# Altium PCB ACF_Out-v2.0.PcbDoc (part 2 of 2)
Units mil, origin at the board's own origin, x right, y up, seen from the top; angles counter-clockwise.
Board outline 5719.29 x 3937.01 mil, 2 copper layers (Top Layer, Bottom Layer), stack 61.811 mil thick; 67 components, 71 nets, 251 pads, 51 vias.
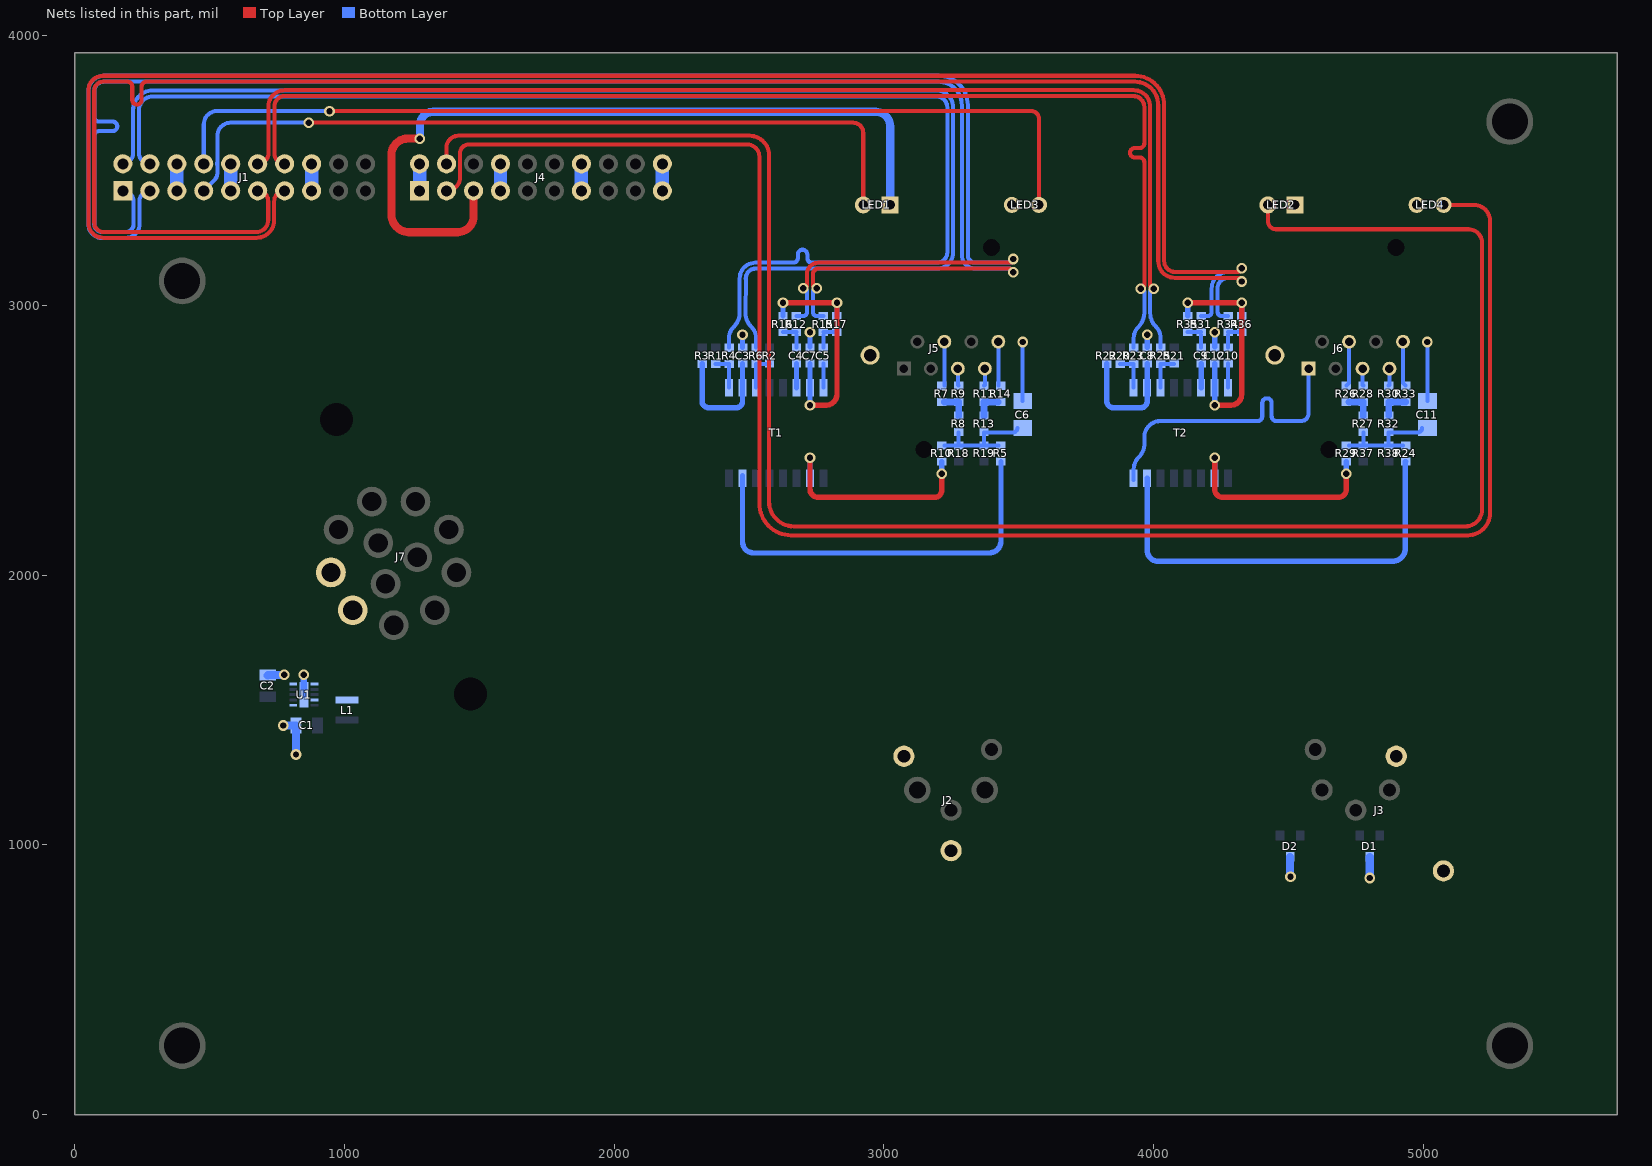
[diagram p2: the nets of this part, all layers, seen from the top]

## Via types
v1: diameter 39.37, hole 23.62, Top Layer to Bottom Layer, tented both sides, 51 vias

## Nets (pads, with @x,y where several pads share a name; then routed paths per layer and width w, separated by ;. In a path a pad name is that pad's centre, name@x,y a point inside that pad or via, vN(x,y) a via of type N, cw(c..) or ccw(c..) an arc to the next point about the centre after c; other vN are vias at no path point) (continued)
B_TXI1_P: J6.1 T2.16 | length 1133.7
  Bottom Layer w15: T2.16@3926.1,2352 T2.16@3926.1,2358.89 3926.1,2393.2 cw(c3985.85,2393.2) 3943.6,2435.45 ccw(c3889.28,2489.77) 3966.1,2489.77 3966.1,2512.8 cw(c4024.19,2512.8) 4024.19,2570.89 4377.67,2570.89 4385.17,2570.89 ccw(c4385.17,2588.39) 4402.67,2588.39 4402.67,2637.77 cw(c4420.17,2637.77) 4437.67,2637.77 4437.67,2588.39 ccw(c4455.17,2588.39) 4455.17,2570.89 4502.97,2570.89 4546.21,2570.89 ccw(c4546.21,2598.89) 4574.21,2598.89 J6.1@4574.21,2765.16
GND: C1.1 C2.1 C3.1 C6.1 C7.1 C8.1 C11.1 C12.1 D1.3 D2.3 J1.05 J1.06 J1.09 J1.10 J1.15 J1.16 J2.1 J2.G J3.1 J3.G J4.01 J4.02 J4.07 J4.08 J4.13 J4.14 J4.19 J4.20 J5.G J6.G J7.C J7.D LED2.1 LED4.2 U1.1 U1.5 U1.6 U1.11 | length 1772.9
  Bottom Layer w15: C6.1@3514.68,2645 v1(3514.68,2863.84) ; C11.1@5014.68,2645 v1(5014.68,2863.84)
  Bottom Layer w20: C3.1@2476.1,2843.89 v1(2476.1,2890.45) ; C7.1@2726.1,2845.43 v1@2726.1,2890.45 ; C8.1@3976.1,2843.89 v1(3976.1,2890.45) ; C12.1@4226.1,2845.43 v1(4226.1,2900.45)
  Bottom Layer w25: U1.11@849.93,1556.89 v1(849.93,1630.89)
  Bottom Layer w30: C2.1@716.1,1628.2 717.81,1629.91 776.13,1629.91 v1(777.1,1630.89) ; v1(773.93,1442.54) C1.1@820.93,1442.54 v1(820.93,1334.89) ; v1@4506.1,883 D2.3@4506.1,955.63 ; v1(4801.1,877) D1.3@4801.1,955.63
  Bottom Layer w50: J1.05@378.96,3424.59 J1.06@378.96,3524.59 ; J1.09@578.96,3424.59 J1.10@578.96,3524.59 ; J1.15@878.96,3424.59 J1.16@878.96,3524.59 ; J4.01@1278.96,3424.59 J4.02@1278.96,3524.59 ; J4.07@1578.96,3424.59 J4.08@1578.96,3524.59 ; J4.13@1878.96,3424.59 J4.14@1878.96,3524.59 ; J4.19@2178.96,3424.59 J4.20@2178.96,3524.59
  other v1: 4507.1,882 2726.1,2900.45
GND_DRIVE: J4.05 LED1.1 LED3.2 | length 2974.6
  Top Layer w30: v1(1280.1,3618) 1234.7,3618 ccw(c1234.7,3558.4) 1175.1,3558.4 1175.1,3336 ccw(c1240.1,3336) 1240.1,3271 1419.96,3271 ccw(c1419.96,3330) 1478.96,3330 J4.05@1478.96,3424.59
  Bottom Layer w30: v1(1280.1,3618) 1280.1,3667.68 cw(c1330.12,3667.68) 1330.12,3717.7 2969.38,3717.7 cw(c2969.38,3663.45) 3023.62,3663.45 LED1.1@3023.62,3372.24
NetC3_2: C3.2 R3.2 T1.2 | length 455.3
  Bottom Layer w20: R3.2@2326.1,2782.89 2326.1,2645.28 ccw(c2351.1,2645.28) 2351.1,2620.28 2452.38,2620.28 ccw(c2452.38,2644) 2476.1,2644 T1.2@2476.1,2694.72 C3.2@2476.1,2783.89
NetC4_1: C4.1 R12.2 R16.1 | length 96.6
  Bottom Layer w15: R16.1@2626.1,2900.45 R12.2@2675.95,2900.45 ; R12.2@2675.95,2890.45 2675.95,2843.89 C4.1@2676.1,2843.89
NetC4_2: C4.2 T1.6 | length 89.2
  Bottom Layer w20: T1.6@2676.1,2694.72 C4.2@2676.1,2783.89
NetC5_1: C5.1 R15.2 R17.1 | length 96.6
  Bottom Layer w15: C5.1@2776.1,2843.89 R15.2@2776.1,2890.45 ; R15.2@2776.1,2900.45 R17.1@2826.1,2900.45
NetC5_2: C5.2 T1.8 | length 89.2
  Bottom Layer w15: T1.8@2776.1,2694.72 C5.2@2776.1,2783.89
NetC6_2: C6.2 R5.1 R8.2 R10.1 R13.2 R18.1 R19.2 | length 428.9
  Bottom Layer w15: R10.1@3224.21,2481 R18.1@3277.21,2481 ; R8.2@3277.21,2529 R18.1@3277.21,2481 ; R5.1@3424.21,2481 R19.2@3371.21,2481 ; C6.2@3495,2545 cw(c3479,2545) 3479,2529 3371.21,2529 R19.2@3371.21,2481 ; R18.1@3277.21,2481 R19.2@3371.21,2481
NetC7_2: C7.2 R16.2 R17.2 T1.7 | length 915.8
  Top Layer w20: v1(2626.1,3010) v1(2826.1,3010) 2826.1,2669.98 cw(c2786.12,2669.98) 2786.12,2630 v1(2726.1,2630)
  Bottom Layer w20: R16.2@2626.1,2960.45 v1(2626.1,3010) ; v1(2726.1,2630) T1.7@2726.1,2694.72 C7.2@2726.1,2783.89 ; R17.2@2826.1,2960.45 v1(2826.1,3010)
NetC8_2: C8.2 R22.2 T2.2 | length 455.3
  Bottom Layer w20: R22.2@3826.1,2782.89 3826.1,2645.28 ccw(c3851.1,2645.28) 3851.1,2620.28 3952.38,2620.28 ccw(c3952.38,2644) 3976.1,2644 T2.2@3976.1,2694.72 C8.2@3976.1,2783.89
NetC9_1: C9.1 R31.2 R35.1 | length 96.6
  Bottom Layer w15: R35.1@4126.1,2900.45 R31.2@4175.95,2900.45 ; R31.2@4175.95,2890.45 4175.95,2843.89 C9.1@4176.1,2843.89
NetC9_2: C9.2 T2.6 | length 89.2
  Bottom Layer w20: T2.6@4176.1,2694.72 C9.2@4176.1,2783.89
NetC10_1: C10.1 R34.2 R36.1 | length 96.6
  Bottom Layer w15: C10.1@4276.1,2843.89 R34.2@4276.1,2890.45 ; R34.2@4276.1,2900.45 R36.1@4326.1,2900.45
NetC10_2: C10.2 T2.8 | length 89.2
  Bottom Layer w15: T2.8@4276.1,2694.72 C10.2@4276.1,2783.89
NetC11_2: C11.2 R24.1 R27.2 R29.1 R32.2 R37.1 R38.2 | length 428.9
  Bottom Layer w15: R29.1@4724.21,2481 R37.1@4777.21,2481 ; R27.2@4777.21,2529 R37.1@4777.21,2481 ; R24.1@4924.21,2481 R38.2@4871.21,2481 ; C11.2@4995,2545 cw(c4979,2545) 4979,2529 4871.21,2529 R38.2@4871.21,2481 ; R37.1@4777.21,2481 R38.2@4871.21,2481
NetC12_2: C12.2 R35.2 R36.2 T2.7 | length 915.8
  Top Layer w20: v1(4126.1,3010) v1(4326.1,3010) 4326.1,2669.98 cw(c4286.12,2669.98) 4286.12,2630 v1(4226.1,2630)
  Bottom Layer w20: R35.2@4126.1,2960.45 v1(4126.1,3010) ; v1(4226.1,2630) T2.7@4226.1,2694.72 C12.2@4226.1,2783.89 ; R36.2@4326.1,2960.45 v1(4326.1,3010)
NetJ5_4: J5.4 R7.1 | length 163.2
  Bottom Layer w15: R7.1@3224.21,2702 J5.4@3224.21,2865.16
NetJ5_5: J5.5 R9.1 | length 64.4
  Bottom Layer w15: J5.5@3274.21,2765.16 3274.21,2705 R9.1@3277.21,2702
NetJ5_7: J5.7 R11.1 | length 64.4
  Bottom Layer w15: R11.1@3371.21,2702 3374.21,2705 J5.7@3374.21,2765.16
NetJ5_8: J5.8 R14.1 | length 163.2
  Bottom Layer w15: R14.1@3424.21,2702 J5.8@3424.21,2865.16
NetJ6_4: J6.4 R26.1 | length 167.2
  Bottom Layer w15: R26.1@4714.37,2702 4724.21,2711.84 J6.4@4724.21,2865.16
NetJ6_5: J6.5 R28.1 | length 64.4
  Bottom Layer w15: J6.5@4774.21,2765.16 4774.21,2705 R28.1@4777.21,2702
NetJ6_7: J6.7 R30.1 | length 64.4
  Bottom Layer w15: R30.1@4871.21,2702 4874.21,2705 J6.7@4874.21,2765.16
NetJ6_8: J6.8 R33.1 | length 167.2
  Bottom Layer w15: J6.8@4924.21,2865.16 4924.21,2711.84 R33.1@4934.06,2702
NetL1_1: L1.1 U1.9
NetR1_2: R1.2 R4.2 T1.1 | length 138.2
  Bottom Layer w15: R1.2@2376.1,2782.89 R4.2@2426.1,2782.89 T1.1@2426.1,2694.72
NetR2_2: R2.2 R6.2 T1.3 | length 138.7
  Bottom Layer w15: T1.3@2526.1,2694.72 R6.2@2526.1,2782.89 2575.1,2782.89 ccw(c2575.1,2783.89) R2.2@2576.1,2783.89
NetR5_2: R5.2 T1.15 | length 1547.7
  Bottom Layer w20: T1.15@2476.1,2369 T1.15@2476.1,2358.89 2476.1,2122.47 ccw(c2516.57,2122.47) 2516.57,2082 3390.06,2082 ccw(c3390.06,2126) 3434.06,2126 R5.2@3434.06,2421
NetR7_2: R7.2 R8.1 R9.2 | length 106
  Bottom Layer w25: R7.2@3224.21,2642 R9.2@3277.21,2642 R8.1@3277.21,2589
NetR10_2: R10.2 T1.10 | length 818.8
  Top Layer w20: v1(2726.1,2434.52) 2726.1,2319.12 ccw(c2757.09,2319.12) 2757.09,2288.14 3188.55,2288.14 ccw(c3188.55,2313.96) 3214.37,2313.96 v1(3214.37,2375.73)
  Bottom Layer w20: T1.10@2726.1,2358.89 v1(2726.1,2434.52) ; v1(3214.37,2375.73) R10.2@3214.37,2421
NetR11_2: R11.2 R13.1 R14.2 | length 106
  Bottom Layer w25: R13.1@3371.21,2589 R11.2@3371.21,2642 R14.2@3424.21,2642
NetR20_2: R20.2 R23.2 T2.1 | length 138.2
  Bottom Layer w15: R20.2@3876.1,2782.89 R23.2@3926.1,2782.89 T2.1@3926.1,2694.72
NetR21_2: R21.2 R25.2 T2.3 | length 137.2
  Bottom Layer w15: T2.3@4026.1,2694.72 R25.2@4026.1,2782.89 R21.2@4075.1,2782.89
NetR24_2: R24.2 T2.15 | length 1597.1
  Bottom Layer w20: T2.15@3976.1,2358.89 3976.1,2092.53 ccw(c4017.97,2092.53) 4017.97,2050.66 4884.11,2050.66 ccw(c4884.11,2099.87) 4933.32,2099.87 4933.32,2420.27 cw(c4934.06,2420.27) R24.2@4934.06,2421
NetR26_2: R26.2 R27.1 R28.2 | length 106
  Bottom Layer w25: R26.2@4724.21,2642 R28.2@4777.21,2642 R27.1@4777.21,2589
NetR29_2: R29.2 T2.10 | length 816.9
  Top Layer w20: v1(4226.1,2434.52) 4226.1,2319.12 ccw(c4257.09,2319.12) 4257.09,2288.14 4684.22,2288.14 ccw(c4684.22,2318.29) 4714.37,2318.29 v1(4714.37,2375.73)
  Bottom Layer w20: T2.10@4226.1,2358.89 v1(4226.1,2434.52) ; v1(4714.37,2375.73) R29.2@4714.37,2421
NetR30_2: R30.2 R32.1 R33.2 | length 113.8
  Bottom Layer w25: R32.1@4871.21,2591 R30.2@4871.21,2642 R33.2@4934.06,2642
P1LED: J1.07 LED1.2 | length 2933.7
  Top Layer w15: v1(868.1,3677) 2886.03,3677 cw(c2886.03,3639.41) 2923.62,3639.41 LED1.2@2923.62,3372.24
  Bottom Layer w15: J1.07@478.96,3424.59 518.9,3464.53 ccw(c494.28,3489.15) 529.1,3489.15 529.1,3521.48 ccw(c514.1,3521.48) 529.08,3522.19 cw(c578.96,3524.59) 529.08,3526.98 ccw(c514.1,3527.69) 529.1,3527.69 529.1,3627.86 cw(c578.24,3627.86) 578.24,3677 v1(868.1,3677)
P2LED: J1.08 LED3.1 | length 3605.9
  Top Layer w15: v1(945.1,3720) 3546.78,3720 cw(c3546.78,3691.98) 3574.8,3691.98 LED3.1@3574.8,3372.24
  Bottom Layer w15: J1.08@478.96,3524.59 478.96,3670.77 cw(c528.19,3670.77) 528.19,3720 v1(945.1,3720)
RXI1_N: J1.01 R15.1 | length 5993.4
  Top Layer w15: v1(2750.71,3062.69) cw(c2750.71,3076.37) 2737.03,3076.37 2737.03,3115.9 cw(c2757.09,3115.9) 2757.09,3135.96 3466.1,3135.96 cw(c3466.1,3122.28) v1(3479.79,3122.28)
  Bottom Layer w15: J1.01@178.96,3424.59 cw(c178.96,3384.45) 219.1,3384.45 219.1,3301 cw(c190.1,3301) 190.1,3272 102.05,3272 cw(c102.05,3301) 73.05,3301 73.05,3586 73.05,3628.5 cw(c90.55,3628.5) 90.55,3646 140.95,3646 ccw(c140.95,3663.5) 140.95,3681 90.55,3681 cw(c90.55,3698.5) 73.05,3698.5 73.05,3769.18 73.05,3792.93 cw(c109.12,3792.93) 109.12,3829 3202.1,3829 cw(c3202.1,3742) 3289.1,3742 3289.1,3186.06 ccw(c3339.2,3186.06) 3339.2,3135.96 3466.1,3135.96 cw(c3466.1,3122.28) v1(3479.79,3122.28) ; v1(2750.71,3062.69) ccw(c2750.71,3049) 2737.03,3049 2737.03,2975.45 ccw(c2752.03,2975.45) 2752.03,2960.45 R15.1@2776.1,2960.45
RXI1_P: J1.03 R12.1 | length 5989.6
  Top Layer w15: v1(2701.34,3062.69) ccw(c2701.34,3076.37) 2715.03,3076.37 2715.03,3115.9 cw(c2757.09,3115.9) 2757.09,3157.96 3466.1,3157.96 ccw(c3466.1,3171.65) v1(3479.79,3171.65)
  Bottom Layer w15: J1.03@278.96,3424.59 ccw(c278.96,3386.73) 241.1,3386.73 241.1,3301 cw(c190.1,3301) 190.1,3250 102.05,3250 cw(c102.05,3301) 51.05,3301 51.05,3792.93 cw(c109.12,3792.93) 109.12,3851 3202.1,3851 cw(c3202.1,3742) 3311.1,3742 3311.1,3186.06 ccw(c3339.2,3186.06) 3339.2,3157.96 3466.1,3157.96 ccw(c3466.1,3171.65) v1(3479.79,3171.65) ; R12.1@2675.95,2960.45 2700.03,2960.45 ccw(c2700.03,2975.45) 2715.03,2975.45 2715.03,3049 ccw(c2701.34,3049) v1(2701.34,3062.69)
RXI2_N: J1.11 R34.1 | length 6646.9
  Top Layer w15: J1.11@678.96,3424.59 cw(c678.96,3385.45) 718.1,3385.45 718.1,3316 cw(c674.1,3316) 674.1,3272 107.18,3272 cw(c107.18,3306.14) 73.05,3306.14 73.05,3795.94 cw(c106.1,3795.94) 106.1,3829 153.91,3829 196.41,3829 cw(c196.41,3811.5) 213.91,3811.5 213.91,3761.63 ccw(c231.41,3761.63) 248.91,3761.63 248.91,3811.5 cw(c266.41,3811.5) 266.41,3829 353.1,3829 3930.1,3829 cw(c3930.1,3742) 4017.1,3742 4017.1,3163.52 ccw(c4078.63,3163.52) 4078.63,3102 4312.42,3102 cw(c4312.42,3088.31) v1(4326.1,3088.31)
  Bottom Layer w15: R34.1@4276.1,2960.45 4252.03,2960.45 cw(c4252.03,2975.45) 4237.03,2975.45 4237.03,3061.93 cw(c4277.1,3061.93) 4277.1,3102 4312.42,3102 cw(c4312.42,3088.31) v1(4326.1,3088.31)
RXI2_P: J1.13 R31.1 | length 6645.3
  Top Layer w15: J1.13@778.96,3424.59 ccw(c778.96,3385.73) 740.1,3385.73 740.1,3316 cw(c674.1,3316) 674.1,3250 107.18,3250 cw(c107.18,3306.14) 51.05,3306.14 51.05,3795.94 cw(c106.1,3795.94) 106.1,3851 3930.1,3851 cw(c3930.1,3742) 4039.1,3742 4039.1,3163.52 ccw(c4078.63,3163.52) 4078.63,3124 4312.42,3124 ccw(c4312.42,3137.69) v1(4326.1,3137.69)
  Bottom Layer w15: R31.1@4175.95,2960.45 4200.03,2960.45 ccw(c4200.03,2975.45) 4215.03,2975.45 4215.03,3061.93 cw(c4277.1,3061.93) 4277.1,3124 4312.42,3124 ccw(c4312.42,3137.69) v1(4326.1,3137.69)
TXI1_N: J1.02 R6.1 | length 4967.3
  Bottom Layer w15: J1.02@178.96,3524.59 ccw(c178.96,3562.73) 217.1,3562.73 217.1,3722.98 cw(c290.97,3722.98) 290.97,3796.85 3193.6,3796.85 cw(c3193.6,3733.33) 3257.11,3733.33 3257.11,3195.72 cw(c3197.35,3195.72) 3197.35,3135.96 2524.19,3135.96 ccw(c2524.19,3099.88) 2488.1,3099.88 ; 2488.24,3099.87 2487.35,2971.08 ccw(c2558.25,2971.08) 2508.11,2920.94 2508.6,2920.45 cw(c2466.35,2878.2) 2526.1,2878.2 R6.1@2526.1,2842.89
TXI1_P: J1.04 R4.1 | length 4966.2
  Bottom Layer w15: J1.04@278.96,3524.59 cw(c278.96,3564.45) 239.1,3564.45 239.1,3722.98 cw(c290.97,3722.98) 290.97,3774.85 3193.6,3774.85 cw(c3193.6,3733.33) 3235.11,3733.33 3235.11,3195.72 cw(c3197.35,3195.72) 3197.35,3157.96 2776.1,3157.96 2733.6,3157.96 cw(c2733.6,3175.46) 2716.1,3175.46 2716.1,3188.73 ccw(c2698.6,3188.73) 2681.1,3188.73 2681.1,3175.46 cw(c2663.6,3175.46) 2663.6,3157.96 2599.39,3157.96 2524.19,3157.96 ccw(c2524.19,3099.12) 2465.35,3099.12 2465.35,2971.08 cw(c2391.05,2973.01) 2443.6,2920.45 ccw(c2485.85,2878.2) 2426.1,2878.2 R4.1@2426.1,2842.89
TXI2_N: J1.12 R25.1 | length 4492.7
  Top Layer w15: J1.12@678.96,3524.59 ccw(c678.96,3564.73) 719.1,3564.73 719.1,3737.94 cw(c778.71,3737.94) 778.71,3797.54 3925.51,3797.54 cw(c3925.51,3735.7) 3987.35,3735.7 3987.35,3075.69 ccw(c4001.03,3075.69) v1(4001.03,3062)
  Bottom Layer w15: v1(4001.03,3062) ccw(c4001.03,3048.32) 3987.35,3048.32 3987.35,2971.08 ccw(c4058.25,2971.08) 4008.11,2920.94 4008.6,2920.45 cw(c3966.35,2878.2) 4026.1,2878.2 R25.1@4026.1,2842.89
TXI2_P: J1.14 R23.1 | length 4498.2
  Top Layer w15: J1.14@778.96,3524.59 cw(c778.96,3562.45) 741.1,3562.45 741.1,3737.94 cw(c778.71,3737.94) 778.71,3775.54 3925.51,3775.54 cw(c3925.51,3735.7) 3965.35,3735.7 3965.35,3643.06 3965.35,3600.56 cw(c3947.85,3600.56) 3947.85,3583.06 3929.9,3583.06 ccw(c3929.9,3565.56) 3929.9,3548.06 3947.85,3548.06 cw(c3947.85,3530.56) 3965.35,3530.56 3965.35,3481.69 3965.35,3075.69 cw(c3951.66,3075.69) v1(3951.66,3062)
  Bottom Layer w15: R23.1@3926.1,2842.89 3926.1,2878.2 cw(c3985.85,2878.2) 3943.6,2920.45 ccw(c3891.05,2973.01) 3965.35,2971.08 3965.35,3048.32 ccw(c3951.66,3048.32) v1(3951.66,3062)
W5500_LED_ACT: J4.03 LED4.1 | length 6718.1
  Top Layer w15: J4.03@1378.96,3424.59 ccw(c1378.96,3474.73) 1429.1,3474.73 1429.1,3481 1429.05,3512.07 ; 1429.03,3512.09 1429.03,3523.74 1429.03,3545.27 1429.03,3563.17 cw(c1461.79,3563.17) 1461.79,3595.93 2493.84,3595.93 cw(c2493.84,3551.23) 2538.54,3551.23 2538.54,2265.5 ccw(c2656.5,2265.5) 2656.5,2147.54 5164.51,2147.54 ccw(c5164.51,2229.84) 5246.81,2229.84 5246.81,3312.68 ccw(c5187.25,3312.68) 5187.25,3372.24 LED4.1@5074.8,3372.24
W5500_LED_LINK: J4.04 LED2.2 | length 7225.4
  Top Layer w15: J4.04@1378.96,3524.59 1378.96,3584.59 cw(c1423.23,3584.59) 1423.23,3628.86 2501.49,3628.86 cw(c2501.49,3555.81) 2574.54,3555.81 2574.54,2272.39 ccw(c2666.36,2272.39) 2666.36,2180.56 5155.66,2180.56 ccw(c5155.66,2242) 5217.1,2242 5217.1,3232 ccw(c5167.1,3232) 5167.1,3282 4453.62,3282 cw(c4453.62,3312) 4423.62,3312 LED2.2@4423.62,3372.24
pads on no net: J4.06 J5. J6. J7.MH T1.4 T1.5 T1.12 T1.13 T2.4 T2.5 T2.12 T2.13 U1.4 U1.7

## Polygon pours and split planes (outlines as drawn)
GND on Top Layer "NONET_L-01_P-001" (solid, remove dead copper, pour order 1): 0,0 0,3937.01 5719.29,3937.01 5719.29,0
GND_DRIVE on Top Layer "NONET_L-01_P-001" (solid, pour order 0): 3503.1,3412.47 cw(c3503.1,3393.47) 3522.1,3393.47 3522.1,3279.81 cw(c3504.8,3279.81) 3504.8,3262.51 2824.06,3262.51 cw(c2824.06,3278.47) 2808.1,3278.47 2808.1,3388.47 cw(c2832.1,3388.47) 2832.1,3412.47
GND on Bottom Layer "NONET_L-01_P-001" (solid, remove dead copper, pour order 2): 0,0 0,3937.01 5719.29,3937.01 5719.29,0

## Other copper
Top Layer:
  region net 3V3: 917.1,1663.89 965.87,1663.89 cw(c965.87,1637.51) 992.25,1637.51 992.25,1299.03 cw(c977.1,1299.03) 977.1,1283.89 917.1,1283.89 cw(c917.1,1303.89) 897.1,1303.89 897.1,1643.89 cw(c917.1,1643.89)
Bottom Layer:
  rectangle net GND: 796.18,1495.87 866.46,1522.83
  rectangle net GND: 722.98,1589.16 910.24,1617.91
  rectangle net NetL1_1: 874.53,1531.35 1010.1,1543.59
  rectangle net 24V: 716.1,1531.89 825.32,1562.2
  pour cut-out: 4748,821 4748,983 4849.4,983 4849.4,821
  pour cut-out: 4454,826 4454,988 4555.4,988 4555.4,826
  region net 24V: 617.1,1592.09 ccw(c646.98,1592.09) 646.98,1562.2 825.32,1562.2 825.32,1531.89 539.19,1531.89 cw(c539.19,1563.98) 507.1,1563.98 507.1,2352 cw(c547.1,2352) 547.1,2392 1121.26,2392 cw(c1121.26,2355.86) 1157.4,2355.86 1157.4,2272.76 cw(c1102.29,2272.75) 1141.26,2233.78 1015.59,2129.14 cw(c978.5,2166.23) 978.5,2113.78 668.88,2113.78 ccw(c668.88,2062) 617.1,2062
  region net 3V3: 874.53,1320.28 ccw(c900.92,1320.28) 900.93,1293.89 1037.1,1293.89 ccw(c1037.1,1317.89) 1061.1,1317.89 1061.1,1443.23 1061.1,1476.89 ccw(c1051.04,1476.89) 1051.04,1486.96 910.79,1486.96 cw(c910.79,1494.08) 903.67,1494.08 903.67,1517.52 874.53,1517.52
Multi-Layer:
  pour cut-out: 399.02,2943.59 cw(c399.02,3090.55) 252.06,3090.55 cw(c399.02,3090.55) 399.02,3237.51 cw(c399.02,3090.55) 545.98,3090.55 cw(c399.02,3090.55)
  pour cut-out: 5320.28,3534.14 cw(c5320.28,3681.1) 5173.32,3681.1 cw(c5320.28,3681.1) 5320.28,3828.06 cw(c5320.28,3681.1) 5467.24,3681.1 cw(c5320.28,3681.1)
  pour cut-out: 399.02,108.95 cw(c399.02,255.91) 252.06,255.91 cw(c399.02,255.91) 399.02,402.87 cw(c399.02,255.91) 545.98,255.91 cw(c399.02,255.91)
  pour cut-out: 5320.28,108.95 cw(c5320.28,255.91) 5173.32,255.91 cw(c5320.28,255.91) 5320.28,402.87 cw(c5320.28,255.91) 5467.24,255.91 cw(c5320.28,255.91)

## Silkscreen, mask and mechanical layers (free items; w line width, h text height)
Board Outline:
  the board outline again, w5
Fabrication:
  drawing of 191 lines, arcs and shapes, not listed
  text "Layer" at 6600.58,4248 h60
  text "Name" at 7010.49,4248 h60
  text "Material" at 7940.23,4248 h60
  text "Thickness" at 8500.1,4248 h60
  text "Constant" at 9149.93,4248 h60
  text "Board Layer Stack" at 9719.79,4248 h60
  text "Top Overlay" at 7010.49,4128 h60
  text "Top Solder" at 7010.49,4008 h60
  text "SM-004" at 7940.23,4008 h60
  text "0.025mm" at 8500.1,4008 h60
  text "4" at 9149.93,4008 h60
  text "1" at 6600.58,3888 h60
  text "Top Layer" at 7010.49,3888 h60
  text "0.035mm" at 8500.1,3888 h60
  text "Dielectric 1" at 7010.49,3768 h60
  text "FR-4" at 7940.23,3768 h60
  text "1.500mm" at 8500.1,3768 h60
  text "4.8" at 9149.93,3768 h60
  text "2" at 6600.58,3648 h60
  text "Bottom Layer" at 7010.49,3648 h60
  text "0.035mm" at 8500.1,3648 h60
  text "Bottom Solder" at 7010.49,3528 h60
  text "SM-004" at 7940.23,3528 h60
  text "0.025mm" at 8500.1,3528 h60
  text "4" at 9149.93,3528 h60
  text "Bottom Overlay" at 7010.49,3408 h60
  text "Total board thickness:" at 6600.58,3288 h60
  text "1.620mm" at 8500.1,3288 h60
Drill Drawing:
  circle w10: c155.62,5923.83 r20
  circle w10: c155.62,5923.83 r33.33
  circle w10: c155.62,5473.83 r33.33
  lines w10: 122.29,4907.17 188.96,4907.17 155.62,4840.5 122.29,4907.17 ; 122.29,4990.5 188.96,4990.5 188.96,5057.17 122.29,5057.17 122.29,4990.5 ; 122.29,5157.17 138.96,5157.17 138.96,5140.5 172.29,5140.5 172.29,5157.17 188.96,5157.17 188.96,5190.5 172.29,5190.5 172.29,5207.17 138.96,5207.17 138.96,5190.5 122.29,5190.5 122.29,5157.17 ; 122.29,5323.83 155.62,5290.5 188.96,5323.83 155.62,5357.17 122.29,5323.83 ; 122.29,5607.17 138.96,5607.17 155.62,5590.5 172.29,5607.17 188.96,5607.17 172.29,5623.83 188.96,5640.5 172.29,5640.5 155.62,5657.17 138.96,5640.5 122.29,5640.5 138.96,5623.83 122.29,5607.17 ; 122.29,5740.5 155.62,5757.17 188.96,5740.5 172.29,5773.83 188.96,5807.17 155.62,5790.5 122.29,5807.17 138.96,5773.83 122.29,5740.5 ; 122.29,6040.5 188.96,6040.5 188.96,6107.17 122.29,6107.17 122.29,6040.5 ; 122.29,6190.5 122.29,6207.17 138.96,6223.83 122.29,6240.5 122.29,6257.17 138.96,6257.17 155.62,6240.5 172.29,6257.17 188.96,6257.17 188.96,6240.5 172.29,6223.83 188.96,6207.17 188.96,6190.5 172.29,6190.5 155.62,6207.17 138.96,6190.5 122.29,6190.5 ; 122.29,6407.17 188.96,6407.17 155.62,6340.5 122.29,6407.17 ; 135.62,4893.83 175.62,4893.83 155.62,4853.83 135.62,4893.83 ; 135.62,5613.83 145.62,5613.83 155.62,5603.83 165.62,5613.83 175.62,5613.83 165.62,5623.83 175.62,5633.83 165.62,5633.83 155.62,5643.83 145.62,5633.83 135.62,5633.83 145.62,5623.83 135.62,5613.83 ; 135.62,6053.83 175.62,6053.83 175.62,6093.83 135.62,6093.83 135.62,6053.83
  lines w15: 62.5,4795.5 11363.33,4795.5 ; 62.5,6445.5 11363.33,6445.5 ; 613.38,4645.5 613.38,6595.5 ; 1193.22,4645.5 1193.22,6595.5 ; 2342.89,4645.5 2342.89,6595.5 ; 2848.76,4645.5 2848.76,6595.5 ; 3582.56,4645.5 3582.56,6595.5 ; 5082.12,4645.5 5082.12,6595.5 ; 5671.96,4645.5 5671.96,6595.5 ; 6417.76,4645.5 6417.76,6595.5 ; 7797.35,4645.5 7797.35,6595.5 ; 8651.11,4645.5 8651.11,6595.5 ; 9984.72,4645.5 9984.72,6595.5 ; 62.5,4645.5 11363.33,4645.5 11363.33,6595.5 62.5,6595.5 62.5,4645.5
  text "Symbol" at 152.5,6490.5 h72
  text "Count" at 658.38,6490.5 h72
  text "Hole Size" at 1238.22,6490.5 h72
  text "Plated" at 2387.89,6490.5 h72
  text "Hole Type" at 2893.76,6490.5 h72
  text "Drill Layer Pair" at 3627.56,6490.5 h72
  text "Via/Pad" at 5127.12,6490.5 h72
  text "Pad Shape" at 5716.96,6490.5 h72
  text "Template" at 6462.76,6490.5 h72
  text "Description" at 7842.35,6490.5 h72
  text "Hole Tolerance (+)" at 8696.11,6490.5 h72
  text "Hole Tolerance (-)" at 10029.72,6490.5 h72
  text "2" at 658.38,6340.5 h60
  text "62.99mil (1.600mm)" at 1238.22,6340.5 h60
  text "PTH" at 2387.89,6340.5 h60
  text "Round" at 2893.76,6340.5 h60
  text "Top Layer - Bottom Layer" at 3627.56,6340.5 h60
  text "Pad" at 5127.12,6340.5 h60
  text "Rounded" at 5716.96,6340.5 h60
  text "c250h160" at 6462.76,6340.5 h60
  text "2" at 658.38,6190.5 h60
  text "122.05mil (3.100mm)" at 1238.22,6190.5 h60
  text "PTH" at 2387.89,6190.5 h60
  text "Round" at 2893.76,6190.5 h60
  text "Top Layer - Bottom Layer" at 3627.56,6190.5 h60
  text "Pad" at 5127.12,6190.5 h60
  text "Rounded" at 5716.96,6190.5 h60
  text "c0h310" at 6462.76,6190.5 h60
  text "4" at 658.38,6040.5 h60
  text "35.43mil (0.900mm)" at 1238.22,6040.5 h60
  text "PTH" at 2387.89,6040.5 h60
  text "Round" at 2893.76,6040.5 h60
  text "Top Layer - Bottom Layer" at 3627.56,6040.5 h60
  text "Pad" at 5127.12,6040.5 h60
  text "(Mixed)" at 5716.96,6040.5 h60
  text "(Mixed)" at 6462.76,6040.5 h60
  text "4" at 658.38,5890.5 h60
  text "35.43mil (0.900mm)" at 1238.22,5890.5 h60
  text "PTH" at 2387.89,5890.5 h60
  text "Round" at 2893.76,5890.5 h60
  text "Top Layer - Bottom Layer" at 3627.56,5890.5 h60
  text "Pad" at 5127.12,5890.5 h60
  text "Rounded" at 5716.96,5890.5 h60
  text "c152h90o0_0m163mx163p0" at 6462.76,5890.5 h60
  text "4" at 658.38,5740.5 h60
  text "62.99mil (1.600mm)" at 1238.22,5740.5 h60
  text "NPTH" at 2387.89,5740.5 h60
  text "Round" at 2893.76,5740.5 h60
  text "Top Layer - Bottom Layer" at 3627.56,5740.5 h60
  text "Pad" at 5127.12,5740.5 h60
  text "Rounded" at 5716.96,5740.5 h60
  text "c0hn160" at 6462.76,5740.5 h60
  text "4" at 658.38,5590.5 h60
  text "133.86mil (3.400mm)" at 1238.22,5590.5 h60
  text "PTH" at 2387.89,5590.5 h60
  text "Round" at 2893.76,5590.5 h60
  text "Top Layer - Bottom Layer" at 3627.56,5590.5 h60
  text "Pad" at 5127.12,5590.5 h60
  text "Rounded" at 5716.96,5590.5 h60
  text "c440h340" at 6462.76,5590.5 h60
  text "12" at 658.38,5440.5 h60
  text "47.24mil (1.200mm)" at 1238.22,5440.5 h60
  text "PTH" at 2387.89,5440.5 h60
  text "Round" at 2893.76,5440.5 h60
  text "Top Layer - Bottom Layer" at 3627.56,5440.5 h60
  text "Pad" at 5127.12,5440.5 h60
  text "Rounded" at 5716.96,5440.5 h60
  text "(Mixed)" at 6462.76,5440.5 h60
  text "12" at 658.38,5290.5 h60
  text "71.65mil (1.820mm)" at 1238.22,5290.5 h60
  text "PTH" at 2387.89,5290.5 h60
  text "Round" at 2893.76,5290.5 h60
  text "Top Layer - Bottom Layer" at 3627.56,5290.5 h60
  text "Pad" at 5127.12,5290.5 h60
  text "Rounded" at 5716.96,5290.5 h60
  text "c280h182" at 6462.76,5290.5 h60
  text "16" at 658.38,5140.5 h60
  text "31.50mil (0.800mm)" at 1238.22,5140.5 h60
  text "PTH" at 2387.89,5140.5 h60
  text "Round" at 2893.76,5140.5 h60
  text "Top Layer - Bottom Layer" at 3627.56,5140.5 h60
  text "Pad" at 5127.12,5140.5 h60
  text "(Mixed)" at 5716.96,5140.5 h60
  text "(Mixed)" at 6462.76,5140.5 h60
  text "40" at 658.38,4990.5 h60
  text "40.95mil (1.040mm)" at 1238.22,4990.5 h60
  text "PTH" at 2387.89,4990.5 h60
  text "Round" at 2893.76,4990.5 h60
  text "Top Layer - Bottom Layer" at 3627.56,4990.5 h60
  text "Pad" at 5127.12,4990.5 h60
  text "(Mixed)" at 5716.96,4990.5 h60
  text "(Mixed)" at 6462.76,4990.5 h60
  text "51" at 658.38,4840.5 h60
  text "23.62mil (0.600mm)" at 1238.22,4840.5 h60
  text "PTH" at 2387.89,4840.5 h60
  text "Round" at 2893.76,4840.5 h60
  text "Top Layer - Bottom Layer" at 3627.56,4840.5 h60
  text "Via" at 5127.12,4840.5 h60
  text "Rounded" at 5716.96,4840.5 h60
  text "v100h60m0mx0" at 6462.76,4840.5 h60
  text "151 Total" at 658.38,4690.5 h60

## Dimensions
5719.29,3937.01 to 5719.29,0 on Dimension
0,3937.01 to 5719.29,3937.01 on Dimension

## Text inside footprints (layer, text, board x,y; h text height)
J1: Bottom Overlay "1" at 139.96,3415.59 h39.37
J2: Top Overlay "1" at 3001.71,1335.63 h60; Top Overlay "5" at 3449.71,1357.3 h60; Top Overlay "G" at 3233.71,890.3 h60
J3: Top Overlay "1" at 4958.21,1311.54 h60; Top Overlay "5" at 4520.21,1331.21 h60; Top Overlay "G" at 5060.21,807.21 h60
J4: Bottom Overlay "1" at 1239.96,3415.59 h39.37
J5: Top Overlay "1" at 3060.21,2684.88 h60
J6: Top Overlay "1" at 4560.21,2684.88 h60
J7: Top Overlay "B" at 892.07,2224.02 h78.74; Top Overlay "E" at 1167.07,1669.79 h78.74; Top Overlay "F" at 1356.07,1745.79 h78.74; Top Overlay "H" at 1461.31,2172.61 h78.74; Top Overlay "J" at 1246.56,2343.53 h78.74; Top Overlay "C" at 829.07,1987.79 h78.74; Top Overlay "D" at 923.07,1787.79 h78.74; Top Overlay "G" at 1490.07,1985.79 h78.74; Top Overlay "A" at 1072.07,2344.79 h78.74